# Allegro board 6089-119-RevB_08.brd (continued)
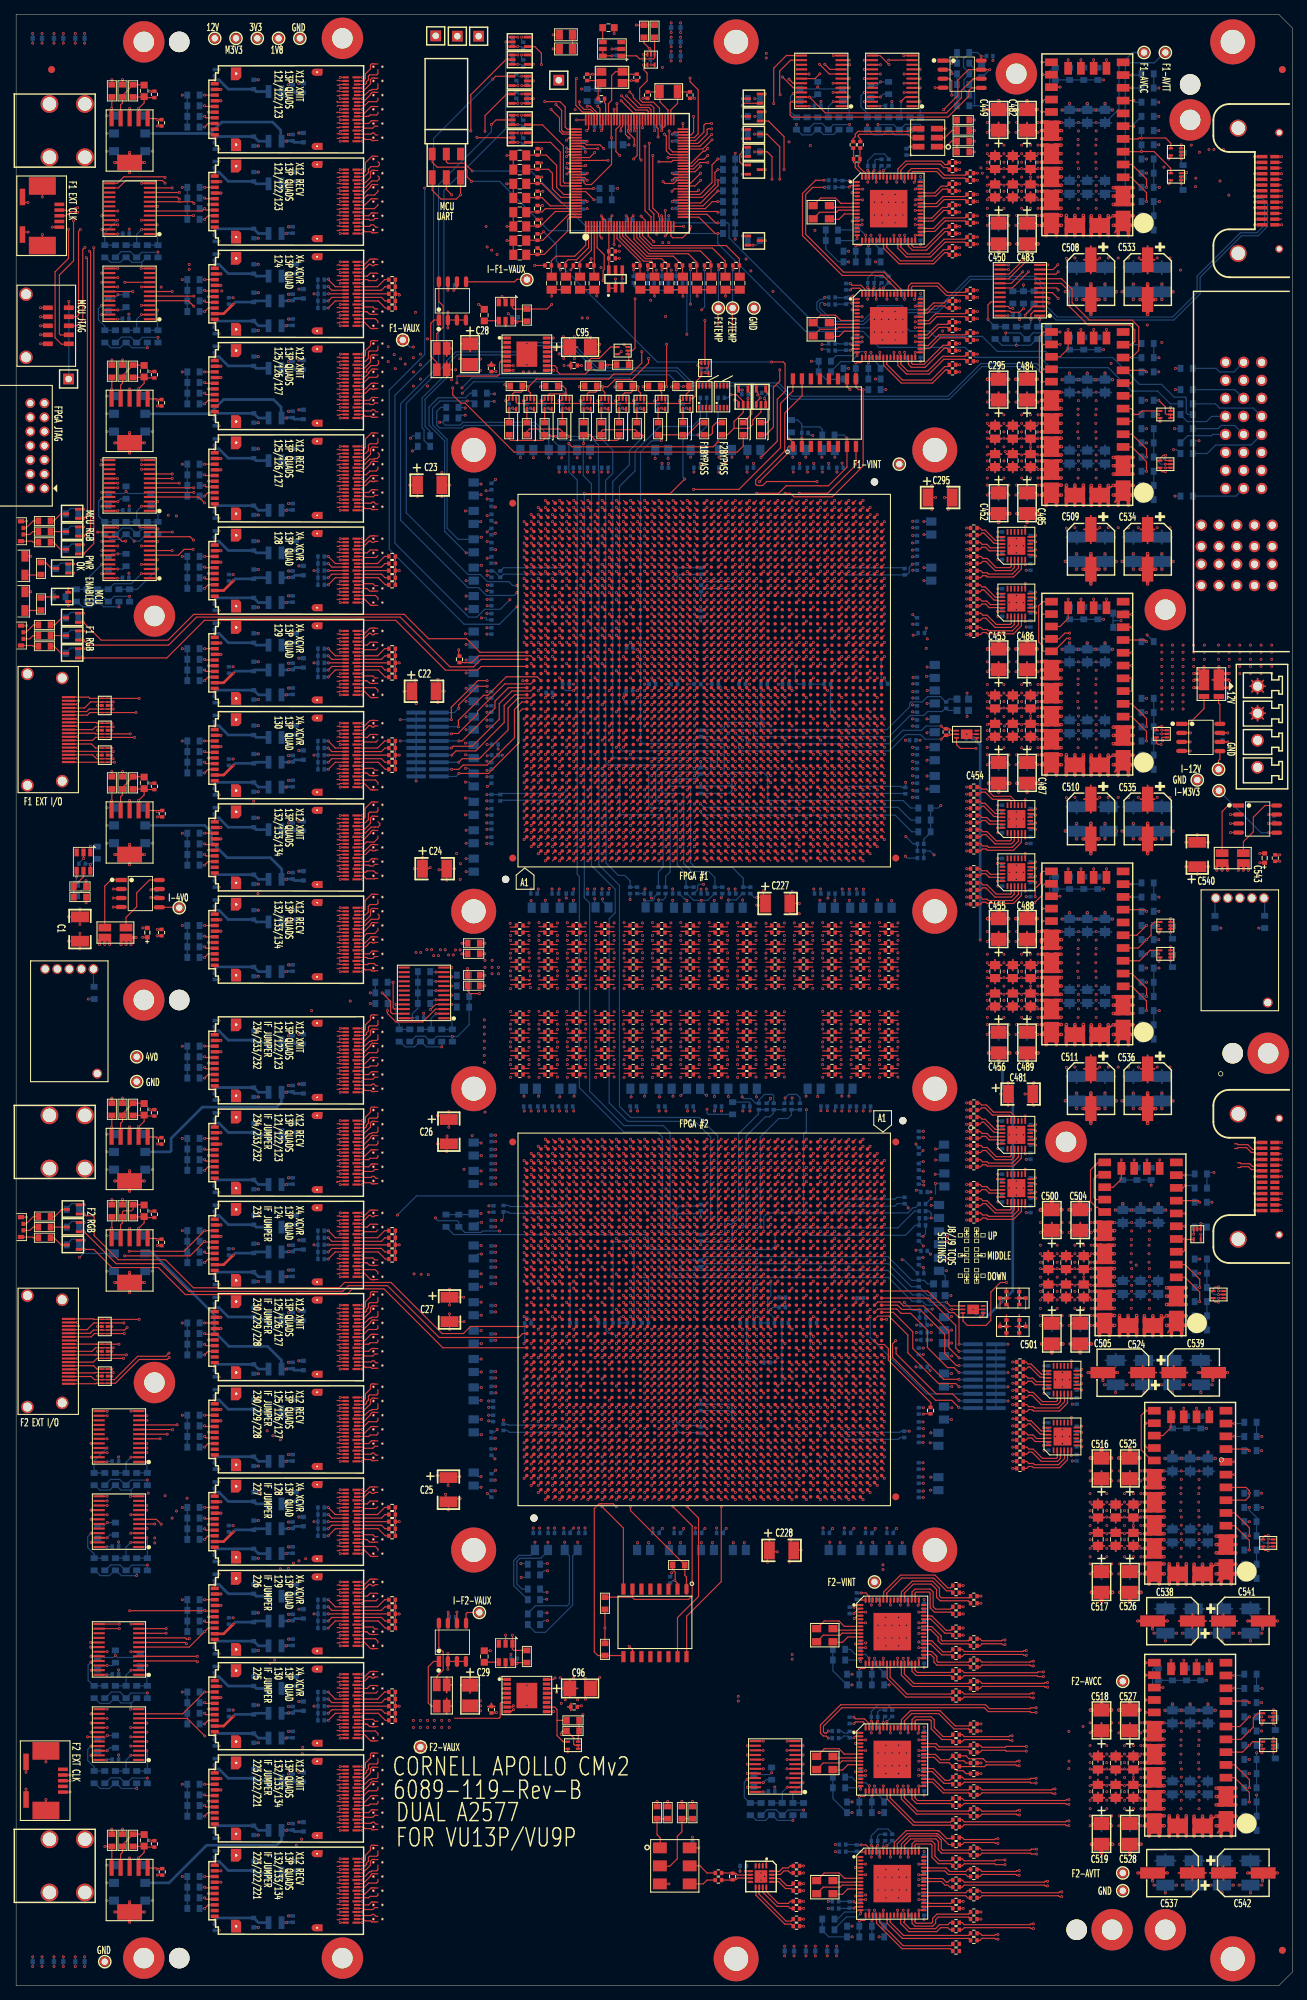
[diagram p0: board, top side]
## Routing (per net, layer and track width the routed paths; a pad name or vN(x,y) marks a point on that pad's centre or on a via; arc(x,y) is an arc through that point) (continued)
  GND3 w0.254: VA51.4 52.05,145.21 ; VA51.4 52.05,145.59 ; VA51.4 51.63,145.78 ; VA51.4 51.63,145.02 ; VA51.4 52.02,145.4 ; VA51.4 51.96,145.08 ; VA51.4 51.82,145.81 ; VA51.4 51.96,145.72 ; 49.95,115.21 VA63.3 ; VA63.3 50.18,114.99 ; VA63.3 49.95,115.59 ; VA63.3 50.37,115.02 ; VA63.3 49.98,115.4 ; VA63.3 50.04,115.08 ; VA63.3 50.04,115.72 ; VA63.3 50.37,115.78 ; VA12.4 51.63,247.78 ; VA12.4 52.05,247.59 ; VA12.4 52.02,247.4 ; VA12.4 51.96,247.08 ; VA12.4 51.96,247.72 ; VA12.4 52.05,247.21 ; VA12.4 51.82,247.81 ; VA12.4 51.63,247.02 ; 50.37,130.02 VA56.3 ; VA56.3 49.95,130.21 ; VA56.3 50.04,130.08 ; VA56.3 50.04,130.72 ; VA56.3 50.18,129.99 ; VA56.3 50.37,130.78 ; VA56.3 49.95,130.59 ; VA56.3 49.98,130.4 ; VA66.4 52.02,106.9 ; VA66.4 51.63,107.28 ; VA66.4 51.82,107.31 ; VA66.4 51.96,107.22 ; VA66.4 51.63,106.52 ; VA66.4 51.96,106.58 ; VA66.4 52.05,106.71 ; VA66.4 52.05,107.09 ; 50.18,177.49 VA37.3 ; VA37.3 49.95,178.09 ; VA37.3 50.04,177.58 ; VA37.3 49.98,177.9 ; VA37.3 50.37,177.52 ; VA37.3 50.37,178.28 ; VA37.3 50.04,178.22 ; VA37.3 49.95,177.71 ; 50.04,55.22 VA86.3 ; VA86.3 50.18,54.49 ; VA86.3 50.04,54.58 ; VA86.3 50.37,55.28 ; VA86.3 50.37,54.52 ; VA86.3 49.95,54.71 ; VA86.3 49.95,55.09 ; VA86.3 49.98,54.9 ; VA44.3 50.37,160.78 ; VA44.3 50.18,159.99 ; VA44.3 49.95,160.21 ; VA44.3 50.04,160.72 ; VA44.3 50.04,160.08 ; VA44.3 49.95,160.59 ; VA44.3 50.37,160.02 ; VA44.3 49.98,160.4 ; VA17.4 51.96,231.72 ; VA17.4 52.05,231.21 ; VA17.4 52.05,231.59 ; VA17.4 51.63,231.78 ; VA17.4 51.82,231.81 ; VA17.4 51.63,231.02 ; VA17.4 52.02,231.4 ; VA17.4 51.96,231.08 ; VA54.4 52.02,134.4 ; VA54.4 51.63,134.78 ; VA54.4 52.05,134.21 ; VA54.4 51.96,134.08 ; VA54.4 52.05,134.59 ; VA54.4 51.96,134.72 ; VA54.4 51.63,134.02 ; VA54.4 51.82,134.81 ; 50.37,166.02 VA41.3 ; VA41.3 50.18,165.99 ; VA41.3 50.04,166.72 ; VA41.3 50.04,166.08 ; VA41.3 49.95,166.59 ; VA41.3 50.37,166.78 ; VA41.3 49.95,166.21 ; VA41.3 49.98,166.4 ; 50.04,87.08 VA74.3 ; VA74.3 49.95,87.59 ; VA74.3 49.98,87.4 ; VA74.3 50.37,87.78 ; VA74.3 49.95,87.21 ; VA74.3 50.37,87.02 ; VA74.3 50.04,87.72 ; VA74.3 50.18,86.99 ; VA43.4 52.05,162.21 ; VA43.4 51.63,162.02 ; VA43.4 51.96,162.72 ; VA43.4 52.05,162.59 ; VA43.4 51.63,162.78 ; VA43.4 51.96,162.08 ; VA43.4 52.02,162.4 ; VA43.4 51.82,162.81 ; VA36.3 51.82,182.31 ; VA36.3 52.02,181.9 ; VA36.3 52.05,181.71 ; VA36.3 51.63,182.28 ; VA36.3 51.63,181.52 ; VA36.3 52.05,182.09 ; VA36.3 51.96,182.22 ; VA36.3 51.96,181.58 ; 50.04,260.08 VA6.3 ; VA6.3 50.18,259.99 ; VA6.3 50.37,260.78 ; VA6.3 49.95,260.21 ; VA6.3 50.04,260.72 ; VA6.3 49.98,260.4 ; VA6.3 49.95,260.59 ; VA6.3 50.37,260.02 ; 50.18,201.49 VA30.3 ; VA30.3 49.95,202.09 ; VA30.3 50.04,202.22 ; VA30.3 50.37,202.28 ; VA30.3 50.04,201.58 ; VA30.3 49.95,201.71 ; VA30.3 49.98,201.9 ; VA30.3 50.37,201.52 ; 50.18,41.49 VA90.3 ; VA90.3 49.95,41.71 ; VA90.3 50.37,41.52 ; VA90.3 50.37,42.28 ; VA90.3 50.04,42.22 ; VA90.3 49.98,41.9 ; VA90.3 50.04,41.58 ; VA90.3 49.95,42.09 ; VA39.3 52.02,170.9 ; VA39.3 51.63,170.52 ; VA39.3 51.63,171.28 ; VA39.3 52.05,171.09 ; VA39.3 51.96,171.22 ; VA39.3 52.05,170.71 ; VA39.3 51.96,170.58 ; VA39.3 51.82,171.31 ; 49.95,241.09 VA14.3 ; VA14.3 50.04,240.58 ; VA14.3 50.37,240.52 ; VA14.3 50.18,240.49 ; VA14.3 49.95,240.71 ; VA14.3 50.04,241.22 ; VA14.3 49.98,240.9 ; VA14.3 50.37,241.28 ; 39.12,274.4 PM9.1 ; PM9.1 40.67,273.73 ; PM9.1 40,275.28 ; PM9.1 40.88,274.4 ; PM9.1 40.67,275.07 ; PM9.1 40,273.52 ; PM9.1 39.33,273.73 ; PM9.1 39.33,275.07 ; 49.95,67.71 VA82.3 ; VA82.3 50.18,67.49 ; VA82.3 50.37,68.28 ; VA82.3 50.37,67.52 ; VA82.3 50.04,67.58 ; VA82.3 49.98,67.9 ; VA82.3 50.04,68.22 ; VA82.3 49.95,68.09 ; VA97.4 51.96,24.72 ; VA97.4 52.05,24.21 ; VA97.4 51.82,24.81 ; VA97.4 52.02,24.4 ; VA97.4 51.63,24.02 ; VA97.4 51.63,24.78 ; VA97.4 51.96,24.08 ; VA97.4 52.05,24.59 ; VA65.3 50.37,109.28 ; VA65.3 49.95,109.09 ; VA65.3 50.37,108.52 ; VA65.3 50.04,109.22 ; VA65.3 50.04,108.58 ; VA65.3 49.98,108.9 ; VA65.3 50.18,108.49 ; VA65.3 49.95,108.71 ; 50.37,216.02 VA24.3 ; VA24.3 50.18,215.99 ; VA24.3 49.98,216.4 ; VA24.3 50.37,216.78 ; VA24.3 50.04,216.08 ; VA24.3 50.04,216.72 ; VA24.3 49.95,216.59 ; VA24.3 49.95,216.21 ; 51.63,67.52 VA82.4 ; VA82.4 51.82,68.31 ; VA82.4 51.63,68.28 ; VA82.4 52.05,68.09 ; VA82.4 51.96,67.58 ; VA82.4 52.02,67.9 ; VA82.4 51.96,68.22 ; VA82.4 52.05,67.71 ; 50.04,223.08 VA21.3 ; VA21.3 50.37,223.78 ; VA21.3 49.95,223.21 ; VA21.3 50.18,222.99 ; VA21.3 49.95,223.59 ; VA21.3 50.04,223.72 ; VA21.3 50.37,223.02 ; VA21.3 49.98,223.4 ; VA48.4 52.05,151.21 ; VA48.4 51.63,151.02 ; VA48.4 51.82,151.81 ; VA48.4 51.63,151.78 ; VA48.4 51.96,151.72 ; VA48.4 52.05,151.59 ; VA48.4 52.02,151.4 ; VA48.4 51.96,151.08 ; 51.63,262.02 VA5.4 ; VA5.4 52.02,262.4 ; VA5.4 51.96,262.72 ; VA5.4 52.05,262.59 ; VA5.4 51.96,262.08 ; VA5.4 52.05,262.21 ; VA5.4 51.63,262.78 ; VA5.4 51.82,262.81 ; 49.98,97.4 VA69.3 ; VA69.3 50.37,97.02 ; VA69.3 50.18,96.99 ; VA69.3 49.95,97.59 ; VA69.3 50.04,97.08 ; VA69.3 50.37,97.78 ; VA69.3 50.04,97.72 ; VA69.3 49.95,97.21 ; 49.95,15.21 VA101.3 ; VA101.3 50.37,15.02 ; VA101.3 49.95,15.59 ; VA101.3 50.37,15.78 ; VA101.3 50.04,15.72 ; VA101.3 49.98,15.4 ; VA101.3 50.04,15.08 ; VA101.3 50.18,14.99 ; 49.95,231.21 VA17.3 ; VA17.3 50.37,231.02 ; VA17.3 50.04,231.72 ; VA17.3 49.98,231.4 ; VA17.3 50.37,231.78 ; VA17.3 50.18,230.99 ; VA17.3 49.95,231.59 ; VA17.3 50.04,231.08 ; VA60.4 52.05,121.21 ; VA60.4 51.63,121.78 ; VA60.4 51.96,121.72 ; VA60.4 51.96,121.08 ; VA60.4 52.05,121.59 ; VA60.4 51.82,121.81 ; VA60.4 52.02,121.4 ; VA60.4 51.63,121.02 ; 1.15,80.51 J6.20 ; J6.20 1.6,80.48 ; J6.20 2.4,80.75 ; J6.20 2.4,82.36 ; J6.20 2.05,82.6 ; J6.20 2.66,81.55 ; J6.20 2.64,82 ; J6.20 1.6,82.62 ; 50.37,212.02 VA26.3 ; VA26.3 50.18,211.99 ; VA26.3 50.04,212.72 ; VA26.3 49.95,212.21 ; VA26.3 49.98,212.4 ; VA26.3 50.37,212.78 ; VA26.3 50.04,212.08 ; VA26.3 49.95,212.59 ; VA92.3 51.96,35.22 ; VA92.3 52.02,34.9 ; VA92.3 51.63,34.52 ; VA92.3 51.96,34.58 ; VA92.3 51.63,35.28 ; VA92.3 52.05,34.71 ; VA92.3 51.82,35.31 ; VA92.3 52.05,35.09 ; VA67.3 52.05,102.09 ; VA67.3 52.02,101.9 ; VA67.3 51.63,101.52 ; VA67.3 51.82,102.31 ; VA67.3 52.05,101.71 ; VA67.3 51.96,102.22 ; VA67.3 51.96,101.58 ; VA67.3 51.63,102.28 ; VA94.3 50.37,30.78 ; VA94.3 50.04,30.72 ; VA94.3 50.18,29.99 ; VA94.3 49.95,30.59 ; VA94.3 49.95,30.21 ; VA94.3 50.37,30.02 ; VA94.3 49.98,30.4 ; VA94.3 50.04,30.08 ; VA46.4 51.82,156.81 ; VA46.4 52.05,156.59 ; VA46.4 51.96,156.72 ; VA46.4 52.05,156.21 ; VA46.4 51.63,156.02 ; VA46.4 51.96,156.08 ; VA46.4 51.63,156.78 ; VA46.4 52.02,156.4 ; 50.04,121.72 VA60.3 ; VA60.3 49.95,121.59 ; VA60.3 50.04,121.08 ; VA60.3 49.95,121.21 ; VA60.3 50.18,120.99 ; VA60.3 50.37,121.78 ; VA60.3 49.98,121.4 ; VA60.3 50.37,121.02 ; 51.63,210.02 VA27.4 ; VA27.4 52.02,210.4 ; VA27.4 51.63,210.78 ; VA27.4 51.82,210.81 ; VA27.4 52.05,210.21 ; VA27.4 51.96,210.72 ; VA27.4 52.05,210.59 ; VA27.4 51.96,210.08 ; 51.63,89.02 VA73.4 ; VA73.4 52.02,89.4 ; VA73.4 52.05,89.59 ; VA73.4 51.82,89.81 ; VA73.4 52.05,89.21 ; VA73.4 51.63,89.78 ; VA73.4 51.96,89.72 ; VA73.4 51.96,89.08 ; VA3.4 52.05,266.21 ; VA3.4 52.05,266.59 ; VA3.4 51.82,266.81 ; VA3.4 51.96,266.08 ; VA3.4 51.63,266.02 ; VA3.4 51.63,266.78 ; VA3.4 51.96,266.72 ; VA3.4 52.02,266.4 ; 5.69,97.47 J6.22 ; J6.22 6.5,95.6 ; J6.22 7.31,95.86 ; J6.22 7.57,96.66 ; J6.22 6.5,97.73 ; J6.22 5.69,95.86 ; J6.22 5.43,96.66 ; J6.22 7.31,97.47 ; 49.95,270.59 VA1.3 ; VA1.3 50.04,270.08 ; VA1.3 50.04,270.72 ; VA1.3 49.98,270.4 ; VA1.3 49.95,270.21 ; VA1.3 50.37,270.02 ; VA1.3 50.37,270.78 ; VA1.3 50.18,269.99 ; VA23.4 52.05,218.21 ; VA23.4 52.05,218.59 ; VA23.4 51.63,218.78 ; VA23.4 52.02,218.4 ; VA23.4 51.96,218.08 ; VA23.4 51.63,218.02 ; VA23.4 51.82,218.81 ; VA23.4 51.96,218.72 ; VA61.4 51.63,119.78 ; VA61.4 52.02,119.4 ; VA61.4 51.63,119.02 ; VA61.4 52.05,119.21 ; VA61.4 51.96,119.72 ; VA61.4 52.05,119.59 ; VA61.4 51.96,119.08 ; VA61.4 51.82,119.81 ; 49.98,136.4 VA53.3 ; VA53.3 50.04,136.72 ; VA53.3 50.04,136.08 ; VA53.3 49.95,136.59 ; VA53.3 50.37,136.78 ; VA53.3 50.37,136.02 ; VA53.3 50.18,135.99 ; VA53.3 49.95,136.21 ; VA68.3 51.96,99.58 ; VA68.3 52.05,100.09 ; VA68.3 51.96,100.22 ; VA68.3 52.05,99.71 ; VA68.3 51.63,100.28 ; VA68.3 51.82,100.31 ; VA68.3 51.63,99.52 ; VA68.3 52.02,99.9 ; 50.04,35.22 VA92.4 ; VA92.4 49.95,34.71 ; VA92.4 50.37,35.28 ; VA92.4 50.37,34.52 ; VA92.4 49.98,34.9 ; VA92.4 50.04,34.58 ; VA92.4 50.18,34.49 ; VA92.4 49.95,35.09 ; 49.98,251.4 VA10.3 ; VA10.3 49.95,251.59 ; VA10.3 50.37,251.02 ; VA10.3 50.04,251.08 ; VA10.3 49.95,251.21 ; VA10.3 50.04,251.72 ; VA10.3 50.18,250.99 ; VA10.3 50.37,251.78 ; 51.63,97.02 VA69.4 ; VA69.4 52.02,97.4 ; VA69.4 52.05,97.59 ; VA69.4 51.82,97.81 ; VA69.4 52.05,97.21 ; VA69.4 51.96,97.08 ; VA69.4 51.63,97.78 ; VA69.4 51.96,97.72 ; 51.63,126.02 VA58.4 ; VA58.4 51.82,126.81 ; VA58.4 51.63,126.78 ; VA58.4 52.05,126.21 ; VA58.4 52.05,126.59 ; VA58.4 52.02,126.4 ; VA58.4 51.96,126.08 ; VA58.4 51.96,126.72 ; VA8.4 52.05,255.21 ; VA8.4 52.05,255.59 ; VA8.4 51.63,255.02 ; VA8.4 51.63,255.78 ; VA8.4 51.96,255.08 ; VA8.4 51.82,255.81 ; VA8.4 52.02,255.4 ; VA8.4 51.96,255.72 ; VA28.4 52.02,208.4 ; VA28.4 51.82,208.81 ; VA28.4 51.96,208.08 ; VA28.4 52.05,208.21 ; VA28.4 52.05,208.59 ; VA28.4 51.63,208.78 ; VA28.4 51.96,208.72 ; VA28.4 51.63,208.02 ; VA91.3 51.96,36.58 ; VA91.3 52.05,37.09 ; VA91.3 51.82,37.31 ; VA91.3 52.05,36.71 ; VA91.3 51.63,37.28 ; VA91.3 52.02,36.9 ; VA91.3 51.96,37.22 ; VA91.3 51.63,36.52 ; VA38.4 51.63,176.28 ; VA38.4 51.82,176.31 ; VA38.4 51.96,175.58 ; VA38.4 51.63,175.52 ; VA38.4 52.05,176.09 ; VA38.4 52.05,175.71 ; VA38.4 51.96,176.22 ; VA38.4 52.02,175.9 ; 49.95,106.71 VA66.3 ; VA66.3 50.37,107.28 ; VA66.3 49.95,107.09 ; VA66.3 50.18,106.49 ; VA66.3 50.04,107.22 ; VA66.3 50.37,106.52 ; VA66.3 50.04,106.58 ; VA66.3 49.98,106.9 ; 49.95,262.21 VA5.3 ; VA5.3 50.37,262.78 ; VA5.3 50.04,262.72 ; VA5.3 50.18,261.99 ; VA5.3 50.37,262.02 ; VA5.3 50.04,262.08 ; VA5.3 49.98,262.4 ; VA5.3 49.95,262.59 ; 50.04,19.72 VA99.3 ; VA99.3 49.95,19.59 ; VA99.3 50.37,19.02 ; VA99.3 49.95,19.21 ; VA99.3 49.98,19.4 ; VA99.3 50.37,19.78 ; VA99.3 50.04,19.08 ; VA99.3 50.18,18.99 ; 50.37,91.02 VA72.3 ; VA72.3 50.04,91.08 ; VA72.3 50.18,90.99 ; VA72.3 49.95,91.59 ; VA72.3 50.04,91.72 ; VA72.3 49.98,91.4 ; VA72.3 49.95,91.21 ; VA72.3 50.37,91.78 ; 50.04,117.72 VA62.3 ; VA62.3 49.98,117.4 ; VA62.3 50.04,117.08 ; VA62.3 50.37,117.02 ; VA62.3 50.18,116.99 ; VA62.3 49.95,117.21 ; VA62.3 50.37,117.78 ; VA62.3 49.95,117.59 ; 49.98,9.4 VA104.3 ; VA104.3 49.95,9.59 ; VA104.3 50.04,9.08 ; VA104.3 49.95,9.21 ; VA104.3 50.37,9.02 ; VA104.3 50.18,8.99 ; VA104.3 50.04,9.72 ; VA104.3 50.37,9.78 ; 49.95,47.71 VA88.4 ; VA88.4 50.04,47.58 ; VA88.4 50.04,48.22 ; VA88.4 49.95,48.09 ; VA88.4 50.37,48.28 ; VA88.4 49.98,47.9 ; VA88.4 50.37,47.52 ; VA88.4 50.18,47.49 ; VA101.4 52.05,15.21 ; VA101.4 51.96,15.08 ; VA101.4 51.82,15.81 ; VA101.4 51.63,15.02 ; VA101.4 51.63,15.78 ; VA101.4 51.96,15.72 ; VA101.4 52.05,15.59 ; VA101.4 52.02,15.4 ; 50.04,89.08 VA73.3 ; VA73.3 49.95,89.21 ; VA73.3 50.37,89.78 ; VA73.3 49.95,89.59 ; VA73.3 50.37,89.02 ; VA73.3 50.04,89.72 ; VA73.3 50.18,88.99 ; VA73.3 49.98,89.4 ; VA2.4 52.02,268.4 ; VA2.4 51.96,268.08 ; VA2.4 52.05,268.59 ; VA2.4 51.82,268.81 ; VA2.4 51.63,268.02 ; VA2.4 51.96,268.72 ; VA2.4 52.05,268.21 ; VA2.4 51.63,268.78 ; VA45.4 51.63,158.78 ; VA45.4 52.05,158.21 ; VA45.4 51.63,158.02 ; VA45.4 51.82,158.81 ; VA45.4 52.02,158.4 ; VA45.4 52.05,158.59 ; VA45.4 51.96,158.72 ; VA45.4 51.96,158.08 ; 50.04,101.58 VA67.4 ; VA67.4 49.95,101.71 ; VA67.4 50.37,101.52 ; VA67.4 50.18,101.49 ; VA67.4 49.98,101.9 ; VA67.4 50.04,102.22 ; VA67.4 50.37,102.28 ; VA67.4 49.95,102.09 ; 51.63,183.52 VA35.3 ; VA35.3 51.63,184.28 ; VA35.3 52.05,183.71 ; VA35.3 51.82,184.31 ; VA35.3 52.05,184.09 ; VA35.3 51.96,183.58 ; VA35.3 51.96,184.22 ; VA35.3 52.02,183.9 ; VA76.4 52.02,82.4 ; VA76.4 51.63,82.78 ; VA76.4 52.05,82.21 ; VA76.4 51.96,82.72 ; VA76.4 51.63,82.02 ; VA76.4 51.82,82.81 ; VA76.4 52.05,82.59 ; VA76.4 51.96,82.08 ; 49.98,196.9 VA31.4 ; VA31.4 49.95,197.09 ; VA31.4 50.18,196.49 ; VA31.4 50.37,196.52 ; VA31.4 50.04,197.22 ; VA31.4 50.37,197.28 ; VA31.4 49.95,196.71 ; VA31.4 50.04,196.58 ; 50.18,265.99 VA3.3 ; VA3.3 49.98,266.4 ; VA3.3 50.04,266.08 ; VA3.3 49.95,266.21 ; VA3.3 50.04,266.72 ; VA3.3 50.37,266.78 ; VA3.3 50.37,266.02 ; VA3.3 49.95,266.59 ; VA29.4 51.63,204.28 ; VA29.4 51.63,203.52 ; VA29.4 52.05,204.09 ; VA29.4 51.82,204.31 ; VA29.4 52.05,203.71 ; VA29.4 51.96,203.58 ; VA29.4 51.96,204.22 ; VA29.4 52.02,203.9 ; VA52.4 52.05,143.21 ; VA52.4 52.05,143.59 ; VA52.4 51.63,143.78 ; VA52.4 51.96,143.72 ; VA52.4 51.82,143.81 ; VA52.4 51.96,143.08 ; VA52.4 52.02,143.4 ; VA52.4 51.63,143.02 ; 51.63,264.02 VA4.4 ; VA4.4 51.82,264.81 ; VA4.4 52.05,264.21 ; VA4.4 51.63,264.78 ; VA4.4 52.05,264.59 ; VA4.4 51.96,264.08 ; VA4.4 52.02,264.4 ; VA4.4 51.96,264.72 ; VA24.4 51.96,216.08 ; VA24.4 51.63,216.78 ; VA24.4 52.05,216.21 ; VA24.4 52.02,216.4 ; VA24.4 51.82,216.81 ; VA24.4 52.05,216.59 ; VA24.4 51.96,216.72 ; VA24.4 51.63,216.02 ; VA6.4 51.63,260.78 ; VA6.4 51.82,260.81 ; VA6.4 51.63,260.02 ; VA6.4 52.05,260.59 ; VA6.4 52.05,260.21 ; VA6.4 52.02,260.4 ; VA6.4 51.96,260.08 ; VA6.4 51.96,260.72 ; 49.95,249.21 VA11.3 ; VA11.3 50.04,249.08 ; VA11.3 50.04,249.72 ; VA11.3 50.37,249.02 ; VA11.3 50.37,249.78 ; VA11.3 50.18,248.99 ; VA11.3 49.95,249.59 ; VA11.3 49.98,249.4 ; 49.95,214.21 VA25.3 ; VA25.3 49.95,214.59 ; VA25.3 49.98,214.4 ; VA25.3 50.04,214.08 ; VA25.3 50.04,214.72 ; VA25.3 50.18,213.99 ; VA25.3 50.37,214.02 ; VA25.3 50.37,214.78 ; J6.21 7.31,81.33 ; J6.21 5.43,82.14 ; J6.21 6.5,81.07 ; J6.21 5.69,81.33 ; J6.21 6.5,83.2 ; J6.21 5.69,82.94 ; J6.21 7.57,82.14 ; J6.21 7.31,82.94 ; 50.37,93.02 VA71.3 ; VA71.3 50.04,93.08 ; VA71.3 50.37,93.78 ; VA71.3 50.04,93.72 ; VA71.3 49.98,93.4 ; VA71.3 50.18,92.99 ; VA71.3 49.95,93.21 ; VA71.3 49.95,93.59 ; 50.37,156.02 VA46.3 ; VA46.3 49.95,156.21 ; VA46.3 50.37,156.78 ; VA46.3 50.04,156.08 ; VA46.3 50.18,155.99 ; VA46.3 49.95,156.59 ; VA46.3 49.98,156.4 ; VA46.3 50.04,156.72 ; VA34.4 51.96,189.22 ; VA34.4 52.02,188.9 ; VA34.4 52.05,189.09 ; VA34.4 52.05,188.71 ; VA34.4 51.82,189.31 ; VA34.4 51.63,189.28 ; VA34.4 51.96,188.58 ; VA34.4 51.63,188.52 ; 1.15,96.2 J6.23 ; J6.23 2.64,97.7 ; J6.23 2.4,98.05 ; J6.23 2.05,98.29 ; J6.23 1.6,98.32 ; J6.23 2.66,97.25 ; J6.23 2.4,96.44 ; J6.23 1.6,96.18 ; VA32.3 52.02,194.9 ; VA32.3 52.05,194.71 ; VA32.3 51.63,195.28 ; VA32.3 52.05,195.09 ; VA32.3 51.96,194.58 ; VA32.3 51.82,195.31 ; VA32.3 51.63,194.52 ; VA32.3 51.96,195.22 ; VA1.4 51.96,270.08 ; VA1.4 52.05,270.59 ; VA1.4 52.05,270.21 ; VA1.4 51.82,270.81 ; VA1.4 52.02,270.4 ; VA1.4 51.63,270.78 ; VA1.4 51.63,270.02 ; VA1.4 51.96,270.72 ; 50.37,74.02 VA80.3 ; VA80.3 49.95,74.59 ; VA80.3 49.98,74.4 ; VA80.3 50.37,74.78 ; VA80.3 50.04,74.72 ; VA80.3 49.95,74.21 ; VA80.3 50.18,73.99 ; VA80.3 50.04,74.08 ; VA87.3 52.02,49.9 ; VA87.3 52.05,49.71 ; VA87.3 51.96,50.22 ; VA87.3 51.63,50.28 ; VA87.3 51.96,49.58 ; VA87.3 52.05,50.09 ; VA87.3 51.82,50.31 ; VA87.3 51.63,49.52 ; 50.04,123.72 VA59.3 ; VA59.3 50.37,123.78 ; VA59.3 50.18,122.99 ; VA59.3 49.98,123.4 ; VA59.3 50.04,123.08 ; VA59.3 50.37,123.02 ; VA59.3 49.95,123.21 ; VA59.3 49.95,123.59 ; 51.63,11.02 VA103.4 ; VA103.4 51.96,11.08 ; VA103.4 52.05,11.21 ; VA103.4 51.96,11.72 ; VA103.4 52.02,11.4 ; VA103.4 51.63,11.78 ; VA103.4 52.05,11.59 ; VA103.4 51.82,11.81 ; 50.04,153.08 VA47.3 ; VA47.3 50.04,153.72 ; VA47.3 50.37,153.02 ; VA47.3 50.18,152.99 ; VA47.3 49.95,153.59 ; VA47.3 50.37,153.78 ; VA47.3 49.95,153.21 ; VA47.3 49.98,153.4 ; 50.04,78.08 VA78.3 ; VA78.3 50.18,77.99 ; VA78.3 50.37,78.02 ; VA78.3 49.95,78.59 ; VA78.3 50.37,78.78 ; VA78.3 49.95,78.21 ; VA78.3 50.04,78.72 ; VA78.3 49.98,78.4 ; 50.18,224.99 VA20.3 ; VA20.3 50.37,225.78 ; VA20.3 49.98,225.4 ; VA20.3 50.37,225.02 ; VA20.3 50.04,225.72 ; VA20.3 49.95,225.59 ; VA20.3 49.95,225.21 ; VA20.3 50.04,225.08 ; VA102.4 52.05,13.59 ; VA102.4 51.96,13.08 ; VA102.4 51.96,13.72 ; VA102.4 51.63,13.78 ; VA102.4 52.05,13.21 ; VA102.4 51.82,13.81 ; VA102.4 52.02,13.4 ; VA102.4 51.63,13.02 ; 49.98,147.4 VA50.3 ; VA50.3 50.18,146.99 ; VA50.3 50.37,147.78 ; VA50.3 50.04,147.08 ; VA50.3 49.95,147.21 ; VA50.3 50.37,147.02 ; VA50.3 50.04,147.72 ; VA50.3 49.95,147.59 ; 1.6,183.78 J5.23 ; J5.23 2.64,185.3 ; J5.23 1.15,183.8 ; J5.23 2.05,185.89 ; J5.23 2.4,184.04 ; J5.23 2.4,185.65 ; J5.23 1.6,185.92 ; J5.23 2.66,184.85 ; 51.63,115.02 VA63.4 ; VA63.4 52.05,115.21 ; VA63.4 51.96,115.08 ; VA63.4 51.63,115.78 ; VA63.4 51.82,115.81 ; VA63.4 52.05,115.59 ; VA63.4 51.96,115.72 ; VA63.4 52.02,115.4 ; 50.04,188.58 VA34.3 ; VA34.3 50.37,188.52 ; VA34.3 49.95,188.71 ; VA34.3 50.37,189.28 ; VA34.3 49.95,189.09 ; VA34.3 50.18,188.49 ; VA34.3 49.98,188.9 ; VA34.3 50.04,189.22 ; VA7.3 50.37,257.78 ; VA7.3 50.18,256.99 ; VA7.3 49.95,257.59 ; VA7.3 50.37,257.02 ; VA7.3 49.95,257.21 ; VA7.3 50.04,257.72 ; VA7.3 49.98,257.4 ; VA7.3 50.04,257.08 ; PM21.1 156.67,14.07 ; PM21.1 156,14.28 ; PM21.1 156.67,12.73 ; PM21.1 155.12,13.4 ; PM21.1 155.33,12.73 ; PM21.1 156,12.52 ; PM21.1 155.33,14.07 ; PM21.1 156.88,13.4 ; 49.98,194.9 VA32.4 ; VA32.4 50.18,194.49 ; VA32.4 50.37,195.28 ; VA32.4 50.37,194.52 ; VA32.4 49.95,194.71 ; VA32.4 50.04,194.58 ; VA32.4 49.95,195.09 ; VA32.4 50.04,195.22 ; 51.63,93.02 VA71.4 ; VA71.4 51.96,93.08 ; VA71.4 51.63,93.78 ; VA71.4 52.05,93.59 ; VA71.4 52.02,93.4 ; VA71.4 52.05,93.21 ; VA71.4 51.82,93.81 ; VA71.4 51.96,93.72 ; 49.95,62.71 VA83.4 ; VA83.4 50.04,62.58 ; VA83.4 50.37,62.52 ; VA83.4 50.18,62.49 ; VA83.4 50.37,63.28 ; VA83.4 50.04,63.22 ; VA83.4 49.95,63.09 ; VA83.4 49.98,62.9 ; VA95.4 52.05,28.21 ; VA95.4 51.63,28.78 ; VA95.4 51.96,28.72 ; VA95.4 51.63,28.02 ; VA95.4 51.82,28.81 ; VA95.4 52.02,28.4 ; VA95.4 51.96,28.08 ; VA95.4 52.05,28.59 ; VA4.3 50.37,264.78 ; VA4.3 49.98,264.4 ; VA4.3 50.04,264.72 ; VA4.3 50.04,264.08 ; VA4.3 50.18,263.99 ; VA4.3 49.95,264.21 ; VA4.3 50.37,264.02 ; VA4.3 49.95,264.59 ; VA42.3 50.37,164.78 ; VA42.3 50.04,164.08 ; VA42.3 49.95,164.21 ; VA42.3 50.04,164.72 ; VA42.3 49.95,164.59 ; VA42.3 49.98,164.4 ; VA42.3 50.18,163.99 ; VA42.3 50.37,164.02 ; 50.18,118.99 VA61.3 ; VA61.3 50.37,119.02 ; VA61.3 49.95,119.21 ; VA61.3 50.04,119.72 ; VA61.3 50.37,119.78 ; VA61.3 49.95,119.59 ; VA61.3 49.98,119.4 ; VA61.3 50.04,119.08 ; 50.04,208.08 VA28.3 ; VA28.3 49.98,208.4 ; VA28.3 49.95,208.21 ; VA28.3 50.18,207.99 ; VA28.3 50.37,208.78 ; VA28.3 50.04,208.72 ; VA28.3 49.95,208.59 ; VA28.3 50.37,208.02 ; 49.95,184.09 VA35.4 ; VA35.4 50.37,184.28 ; VA35.4 50.04,183.58 ; VA35.4 50.18,183.49 ; VA35.4 50.04,184.22 ; VA35.4 49.98,183.9 ; VA35.4 49.95,183.71 ; VA35.4 50.37,183.52 ; 50.37,235.52 VA15.4 ; VA15.4 50.04,236.22 ; VA15.4 49.98,235.9 ; VA15.4 49.95,236.09 ; VA15.4 49.95,235.71 ; VA15.4 50.37,236.28 ; VA15.4 50.18,235.49 ; VA15.4 50.04,235.58 ; 50.04,99.58 VA68.4 ; VA68.4 50.37,100.28 ; VA68.4 49.95,100.09 ; VA68.4 50.04,100.22 ; VA68.4 50.18,99.49 ; VA68.4 49.98,99.9 ; VA68.4 49.95,99.71 ; VA68.4 50.37,99.52 ; VA25.4 52.05,214.59 ; VA25.4 52.05,214.21 ; VA25.4 51.63,214.78 ; VA25.4 51.96,214.08 ; VA25.4 51.82,214.81 ; VA25.4 51.96,214.72 ; VA25.4 51.63,214.02 ; VA25.4 52.02,214.4 ; VA41.4 52.05,166.21 ; VA41.4 51.96,166.72 ; VA41.4 52.02,166.4 ; VA41.4 52.05,166.59 ; VA41.4 51.96,166.08 ; VA41.4 51.63,166.78 ; VA41.4 51.63,166.02 ; VA41.4 51.82,166.81 ; VA38.3 50.37,176.28 ; VA38.3 49.95,175.71 ; VA38.3 50.04,176.22 ; VA38.3 49.95,176.09 ; VA38.3 50.37,175.52 ; VA38.3 49.98,175.9 ; VA38.3 50.18,175.49 ; VA38.3 50.04,175.58 ; VA16.3 51.96,234.22 ; VA16.3 52.05,234.09 ; VA16.3 52.02,233.9 ; VA16.3 51.82,234.31 ; VA16.3 51.63,233.52 ; VA16.3 51.63,234.28 ; VA16.3 52.05,233.71 ; VA16.3 51.96,233.58 ; 50.04,162.72 VA43.3 ; VA43.3 50.04,162.08 ; VA43.3 50.37,162.02 ; VA43.3 49.95,162.21 ; VA43.3 50.18,161.99 ; VA43.3 49.98,162.4 ; VA43.3 49.95,162.59 ; VA43.3 50.37,162.78 ; VA11.4 51.82,249.81 ; VA11.4 51.63,249.78 ; VA11.4 51.96,249.72 ; VA11.4 51.63,249.02 ; VA11.4 52.02,249.4 ; VA11.4 52.05,249.59 ; VA11.4 52.05,249.21 ; VA11.4 51.96,249.08 